# Altium PCB Inverter2beta.PcbDoc (part 3 of 5) (continued)
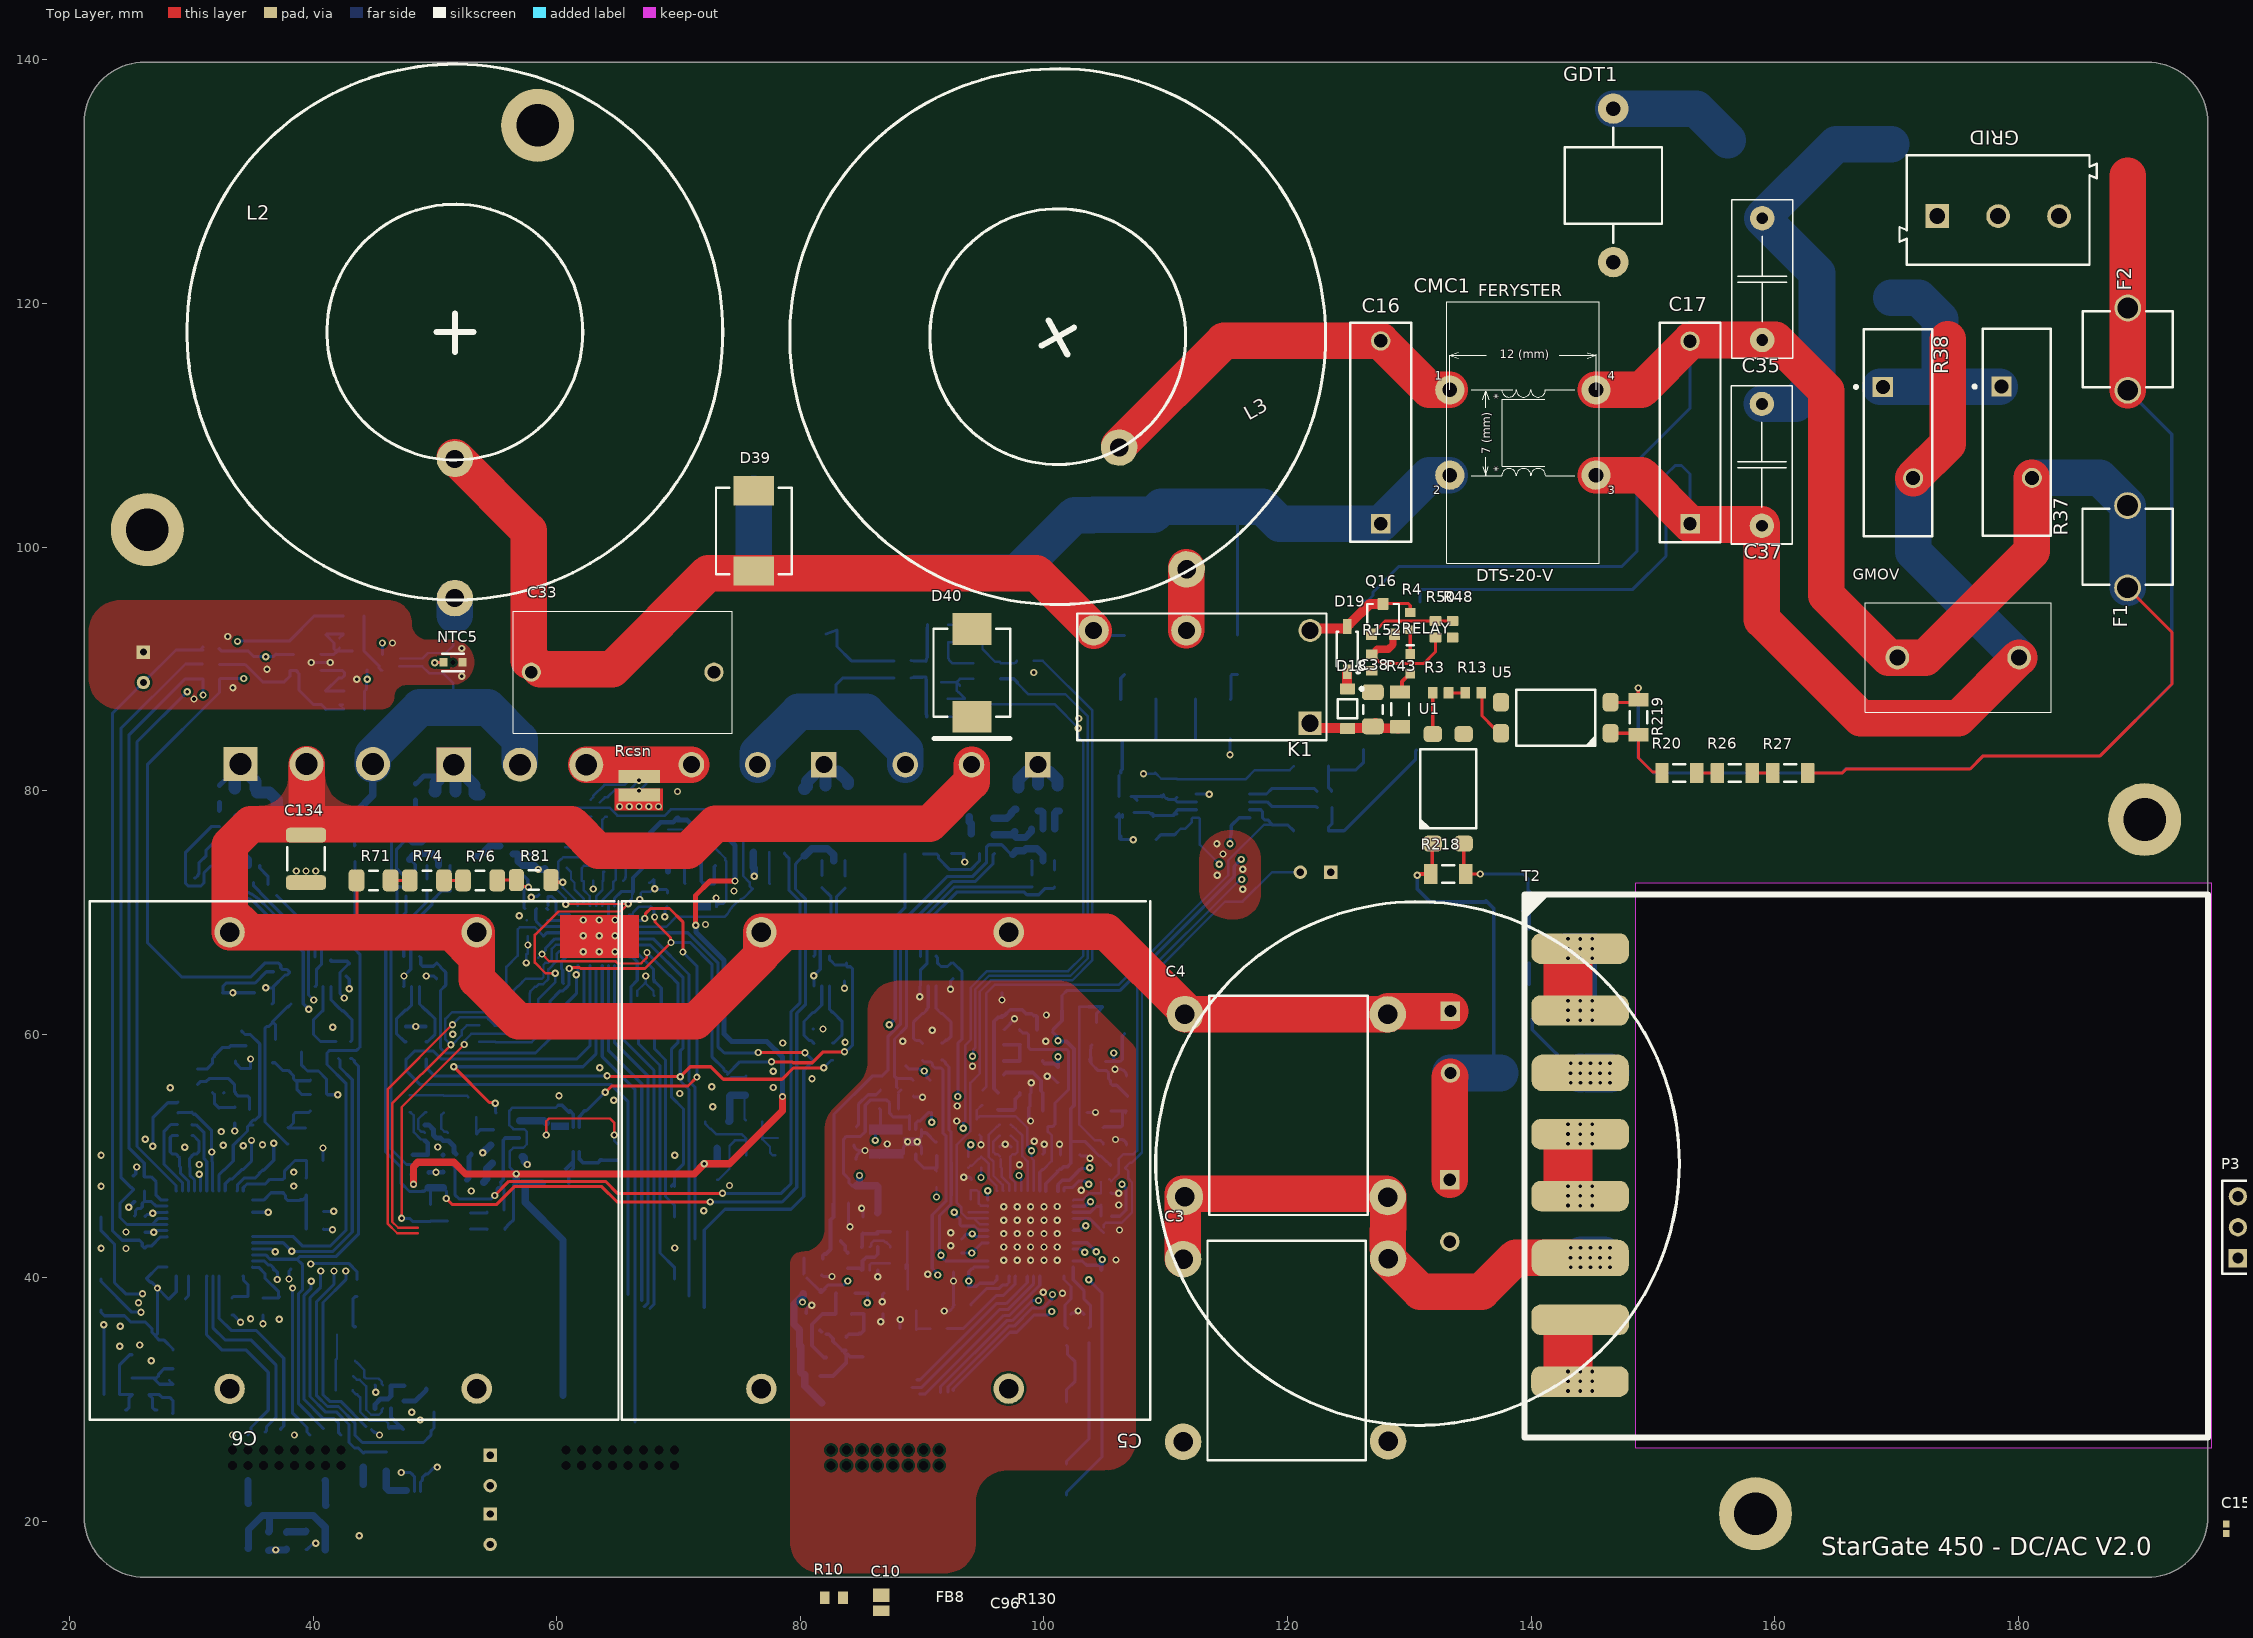
[diagram p0: Top Layer view]
## Nets (pads, with @x,y where several pads share a name; then routed paths per layer and width w, separated by ;. In a path a pad name is that pad's centre, name@x,y a point inside that pad or via, vN(x,y) a via of type N, cw(c..) or ccw(c..) an arc to the next point about the centre after c; other vN are vias at no path point) (continued)
  Bottom Layer w0.3: C74.1@47.6,60.625 C76.1@49.225,60.625
  Bottom Layer w0.4: C89.1@49.475,48.65 49.488,48.663 v1(50.075,48.663) 50.663,48.663 50.675,48.675 D25.2@50.663,48.688 ; C87.1@50.65,50.1 C87.1@50.663,50.088
  Bottom Layer w0.6: v1(53.925,50.25) R195.1@54.575,50.9 ; Q11.2@56.4,74.8 Q11.2@56.676,74.8 56.749,74.8 56.831,74.718 56.831,74.204 57.183,73.853 58.153,73.853 v1(58.478,73.528) 58.928,73.528 D27.1@58.994,73.594 ; C42.1@57.15,49.925 57.25,49.925 57.325,49.85 57.325,49.553 v1(57.575,49.303) ; R157.1@76.1,73.725 R157.1@76.125,73.7 ; Q12.2@76.15,74.949 76.125,74.924 R157.1@76.125,73.7 ; v1(76.2,72.975) 76.2,73.625 R157.1@76.125,73.7
  other v1: 69.675,42.435 72.05,45.5 52.975,47.125 74.175,47.575 69.675,50.055 50.215,50.738 72.8,54.05 64.675,54.575 60.175,54.95 70.1,55.125 77.775,55.625 72.725,55.675 80.95,56.35 77.775,56.95 63.525,57.25 78.55,59.275 83.668,59.332 51.452,60.001 81.85,60.425 48.413,60.625 61.6,64.875 62.175,66.775 63.475,66.775 64.775,66.775 62.175,68.075 64.775,68.075 72.2,69 62.175,69.375 63.475,69.375 56.9,69.725 74.55,71.75 38.6,73.4 39.4,73.4 40.2,73.4 65.15,78.7 65.95,78.7 66.75,78.7 67.55,78.7 68.35,78.7 69.9,79.925
BOTT_TRIG_ADC: IC1.21 | length 28
  Bottom Layer w0.254: IC1.21@65.925,67.825 67.925,67.825 70.85,64.9 70.85,56.15 71.35,55.65 71.35,43.2
BOTT_TWO_LEVEL_TIM1_CH2_4: IC1.19 R153.1 R156.1 | length 34.6
  Bottom Layer w0.2: R153.1@57.975,78.6 64.325,78.6 64.975,77.95 68.875,77.95 69.197,78.272 69.197,78.29 69.36,78.453 72.722,78.453 75.3,75.875 75.3,72.989 75.825,72.464 75.825,72.175 76.075,71.925 75.352,71.202 ccw(c76.8,68.405) 74.002,69.852 73.8,69.65 69.825,69.65 69,68.825 IC1.19@65.925,68.825
BOTT_TWO_LEVEL_TIM1_CH2N: IC1.22 R123.1 R145.1 | length 67.9
  Top Layer w0.254: v1(64.125,56.575) 64.163,56.538 70.092,56.538 v1(70.13,56.5) 70.955,57.325 72.65,57.325 73.675,56.3 78.5,56.3 79.418,57.218 81.915,57.218 v1(81.927,57.23)
  Bottom Layer w0.2: v1(81.927,57.23) 81.927,57.252 82.55,57.875 R145.1@82.65,57.875
  Bottom Layer w0.254: R123.1@49.275,57.975 49.275,57.244 49.969,56.55 64.1,56.55 v1(64.125,56.575) ; IC1.22@65.925,67.325 67.675,67.325 70.368,64.632 70.368,58.868 70.13,58.63 v1(70.13,56.5) 70.192,56.437 70.192,56.108 70.85,55.45 70.85,38.513
DAC1_3: C32.2 R58.2 U23.13 | length 59.4
  TOP_RTN w0.6: v1(29.65,88.125) v1(33.775,92.25)
  Bottom Layer w0.254: 28.75,47.125 28.727,47.148 28.727,47.573 25.525,50.775 25.525,84 v1(29.65,88.125) ; v1(33.775,92.25) 33.8,92.275 38.025,92.275 40.1,94.35 C32.2@41,94.35 ; C32.2@41.05,94.3 41.075,94.325 R58.2@42.475,94.325
DAC1_4: C115.2 IC1.9 R81.1 R162.2 | length 14.2
  Top Layer w0.254: R81.1@59.525,72.65 59.7,72.475 v1(60.475,72.475)
  Bottom Layer w0.2: v1(60.475,72.475) 60.487,72.463 60.487,72.038 61.675,70.85 61.7,70.85 61.725,70.825 IC1.9@61.725,70.525 ; v1@60.499,72.451 60.097,72.853 60.097,74.149 60.326,74.378 60.378,74.378 60.528,74.528 62.803,74.528 63.1,74.825 65.826,74.825 65.941,74.71 R162.2@65.941,74.491 ; C115.2@65.44,72.6 65.46,72.6 65.63,72.77 65.63,72.867 65.65,72.887 65.65,73.25 65.663,73.263 65.663,73.738 65.883,73.958 65.883,74.433 65.975,74.525 R162.2@66.225,74.525
DAC1_5: C50.2 C123.2 C145.2 R40.1 R89.1 R181.2 R207.2 | length 75.6
  TOP_RTN w0.4: v1(93.375,52.275) 93.375,52.221 93.937,51.659 93.937,50.948 v1(93.975,50.909) ; v1(102.825,85.125) 104.425,85.125 v1(108.175,81.375)
  Bottom Layer w0.2: R181.2@92.075,86.05 C123.2@93.5,86.05 94.525,86.05 95.575,87.1 100.85,87.1 v1(102.825,85.125) 102.825,84.38 103.222,83.983 103.222,66.422 101.975,65.175 95.331,65.175 93.969,63.813 93.969,59.519 93.525,59.075 93.525,52.85 93.387,52.712 93.387,52.287 v1(93.375,52.275) ; R207.2@93.775,49.925 93.775,50.601 93.975,50.801 v1(93.975,50.909) ; v1(108.175,81.375) 109.075,81.375 R89.1@109.15,81.45 109.625,80.975 C50.2@110.925,80.975 ; C50.2@110.925,80.95 116.575,80.95 117.3,81.675 C145.2@118.75,81.675 120.175,81.675 R40.1@120.5,82
DRV_HF_MOS: IC1.30 R128.1 | length 58.8
  Bottom Layer w0.254: IC1.30@62.725,65.625 62.725,59.05 61.65,57.975 50.486,57.975 49.831,58.63 48.355,58.63 47.7,57.975 R128.1@47.6,57.975 47.6,57.025 48.775,55.85 64.475,55.85 65.825,54.5 65.825,38.632
DRV_LF_MOS: IC1.20 R146.1 | length 50.8
  Top Layer w0.254: v1(76.525,58.5) 76.537,58.488 80.363,58.488 v1(80.375,58.475)
  Bottom Layer w0.254: IC1.20@65.925,68.325 70.761,68.325 73.22,65.865 73.22,58.98 73.75,58.45 76.475,58.45 v1(76.525,58.5) ; 72.1,37.557 72.1,43.925 73.8,45.625 79.225,45.625 80.275,46.675 80.275,57.025 R146.1@81.1,57.85 81,57.85 v1(80.375,58.475)
DRV_TOP_HF_MOS: CONN_TOP.1 R35.1 U23.32 | length 41.6
  TOP_RTN w0.4: v1@38.237,42.147 38.252,42.131 38.252,41.706 39.803,40.156 39.803,39.722 v1(39.822,39.703)
  Bottom Layer w0.254: 35,42.875 37.525,42.875 v1(38.237,42.163) 41.613,42.163 43.2,43.75 43.2,56.267 42.198,57.269 42.198,57.877 R35.1@42.075,58 ; v1(39.822,39.703) 39.822,39.122 39.25,38.55 39.25,30 40.825,28.425 41.7,28.425 42.082,28.043 42.082,27.263 CONN_TOP.1@42.26,27.085
DRV_TOP_LF_MOS: R175.1 U20.32 | length 52
  TOP_RTN w0.254: v1(91.27,40.225) 91.27,39.73 91.918,39.082 96.379,39.082 98.236,37.225 v1(100.65,37.225) 101.895,37.225 102.595,37.925 103.675,37.925 104.75,39 104.75,40.45 104.05,41.15 104.05,41.8 104.297,42.048 v1(104.297,42.122)
  Bottom Layer w0.254: R175.1@90.025,57.85 90.164,57.711 90.696,57.711 90.845,57.562 90.845,57.419 91.044,57.22 91.551,57.22 91.7,57.071 91.7,51.906 91.943,51.663 91.943,49.313 91.955,49.301 91.955,46.899 91.943,46.887 91.943,46.268 90.825,45.15 90.825,40.764 91.27,40.319 v1(91.27,40.225) ; 92.55,30.75 92.55,30.868 97.207,35.525 97.775,35.525 99.175,36.925 100.328,36.925 100.628,37.225 v1(100.65,37.225) ; U20.32@102.4,42.875 103.563,42.875 104.297,42.141 v1(104.297,42.122)
"EARTH GND": C35.1 C37.2 GDT1.2 GRID.3 | length 44.2
  Bottom Layer w3: GDT1.2@146.75,136 153.55,136 156.15,133.4 ; C37.2@158.95,111.75 161.718,111.75 163.475,113.507 163.475,122.5 C35.1@158.975,127 165.05,133.075 169.575,133.075
EN_DCDC_BOOST_3: IC2.3 R25.2 | length 2.8
  Bottom Layer w0.254: IC2.3@48.8,22.45 48.8,23.231 48.952,23.383 48.952,23.602 49.225,23.875 R25.2@49.3,23.875 49.375,23.875 49.884,24.384 50.109,24.384 v1(50.175,24.45)
EN_DCDC_BOOST_4: IC1.18 IC4.3 R121.2 | length 30.7
  Top Layer w0.254: v1(63.975,55.225) 64.5,55.75 70.775,55.75 v1(71.5,56.475) ; v1(67.228,69.5) 67.294,69.566 67.294,69.919 67.7,70.325 69.25,70.325 70.35,69.225 v1(70.35,66.75) v1@70.35,66.7
  Bottom Layer w0.254: R121.2@62.375,53.725 62.45,53.725 63.95,55.225 v1(63.975,55.225) ; IC1.18@65.925,69.325 66.959,69.325 67.134,69.5 v1(67.228,69.5) ; v1(70.35,66.75) 71.5,65.6 v1(71.5,56.475)
  Bottom Layer w0.3: IC4.3@61.85,52.35 61.85,53.224 62.05,53.424 62.05,53.475 62.3,53.725 R121.2@62.375,53.725
EN_DCDC_BOOST_5: IC6.3 R172.2 U20.12 | length 12.4
  TOP_RTN w0.254: v1(90.775,52.775) 92.65,50.9 92.65,47.725 93.25,47.125 95.35,47.125 v1(95.375,47.15)
  Bottom Layer w0.254: IC6.3@89.45,52.175 89.473,52.198 89.473,52.679 89.674,52.88 89.836,52.88 90.252,53.296 90.252,53.302 90.525,53.575 R172.2@90.6,53.575 ; v1(90.775,52.775) R172.2@90.775,53.575 ; v1(95.375,47.15) 95.375,46.398 95.398,46.375 U20.12@95.4,46.375
GND: C18.1 C19.1 C38.1 P3.3 R152.1 U1.3 U5.3
GRID_VAC_OPAMP2_IN+_5: C60.1 R101.2 U20.17 U20.19 | length 15.3
  TOP_RTN w0.4: v1(97.95,48.4) 98.004,48.4 98.104,48.5 98.166,48.5 98.972,49.306 v1(98.972,50.425)
  Bottom Layer w0.2: R101.2@94.95,54.175 94.9,54.175 94.475,53.75 94.475,53.025 94.7,53.25 97.7,53.25 98.622,52.328 98.622,50.867 98.972,50.517 98.972,49.847 99.15,49.669 U20.19@99.15,47.125 ; v1(97.95,48.4) 97.95,48.292 98.15,48.092 U20.17@98.15,47.125
GRID_VAC_OPAMP2_OUT_5: R198.1 U20.14 | length 6.3
  Bottom Layer w0.2: R198.1@96.35,52.575 96.175,52.4 96.132,52.4 95.449,51.717 95.449,49.933 95.853,49.529 95.853,48.372 96.397,47.828 ; 96.397,47.828 96.6,47.625 96.6,47.175 U20.14@96.65,47.125
GRID_VAC_OPAMP3_OUT_5: R199.1 U20.18 | length 6
  Bottom Layer w0.2: R199.1@97.275,52.575 97.45,52.4 97.493,52.4 97.665,52.228 98.225,51.668 98.225,49.975 98.65,49.55 98.65,47.825 U20.18@98.65,47.125
HF_TOP_TRIG_ADC: CONN_TOP.5 U23.33 | length 18.6
  TOP_RTN w0.6: v1(36.875,42.125) 38.776,40.224 38.776,39.578 38.349,39.15 v1(38.3,39.15)
  Bottom Layer w0.254: 35,42.375 36.531,42.375 36.781,42.125 v1(36.875,42.125) ; v1(38.3,39.15) 38.3,28.875 39.477,27.698 39.477,27.328 CONN_TOP.5@39.72,27.085
HV_ADC1_IN4_4: C78.2 IC1.8 R95.1 | length 3.8
  Bottom Layer w0.254: R95.1@59.17,70.33 59.175,70.325 R95.1@59.278,70.222 ; R95.1@59.258,70.572 59.258,71.307 59.593,71.307 59.925,70.975 59.925,70.05 60.15,69.825 IC1.8@61.025,69.825
HV_OPAMP1_COMP1_IN_4: C45.2 IC1.6 R79.2 | length 3.8
  Bottom Layer w0.254: C45.2@58.265,69.375 58.265,70.24 R79.2@58.325,70.3 ; 58.317,69.252 58.744,68.825 IC1.6@61.025,68.825
HV_OPAMP1_OUT_4: IC1.7 R95.2 | length 1.8
  Bottom Layer w0.254: R95.2@59.223,69.327 61.023,69.327 IC1.7@61.025,69.325
HVDC_FUSE_MON: C18.2 R9.1
IAC_ADC2_IN4_3: C34.1 C164.2 R61.2 U23.15 | length 5.8
  Bottom Layer w0.254: R61.2@28.857,51.677 28.852,51.672 28.406,51.672 28.257,51.524 28.257,50.327 28.432,50.152 28.59,50.152 28.592,50.15 28.739,50.15 28.882,50.007 C34.1@28.882,49.987 29.025,49.844 29.025,49.135 C164.2@29.06,49.1 ; C164.2@29.085,49.1 29.085,48.594 29.75,47.929 29.75,47.125
IAC_ADC2_IN5_3: C164.1 C165.2 R210.2 U23.16 | length 5.5
  Bottom Layer w0.254: C164.1@29.84,49.1 29.84,49.775 30.032,49.967 30.032,50.007 30.175,50.15 30.406,50.15 30.607,50.351 30.607,51.227 30.157,51.677 R210.2@30.032,51.677 ; C164.1@29.865,49.1 29.865,48.425 30.25,48.04 30.25,47.125
IAC_COMP1_INP_3: R72.1 R182.2 U23.8 U23.9 | length 55.5
  Bottom Layer w0.254: 28,44.375 26.755,44.375 ; 28,44.875 27.977,44.852 27.232,44.852 26.755,44.375 ; R182.2@30.9,90.4 29.5,90.4 24.2,85.1 24.2,48.247 25.049,47.398 25.102,47.398 R72.1@25.25,47.25 24.125,46.125 24.125,44.95 24.7,44.375 25.375,44.375 26.755,44.375
IAC_COMP3_INP_5: R216.2 U20.8 U20.9 | length 60.1
  Bottom Layer w0.2: 94.3,44.825 94.75,44.375 U20.8@95.4,44.375 ; U20.9@95.4,44.875 94.3,44.875 93.7,44.875 93.2,45.375 93.2,45.8 92.825,46.175 92.825,50.9 93.953,52.028 93.953,56.003 94.725,56.775 94.725,63.5 95.644,64.419 102.319,64.419 103.978,66.078 103.978,86.572 99.9,90.65 R216.2@99.15,90.65
IAC_OPAMP1_OUT_5: R185.1 U20.10 | length 1.6
  Bottom Layer w0.2: R185.1@93.825,45.375 U20.10@95.4,45.375
IAC_OPAMP2_IN+_COMP4_INP_3: C173.2 R44.2 U23.17 U23.19 | length 12.3
  TOP_RTN w0.6: v1(30.645,48.5) 31.025,48.5 31.65,49.125 v1(31.65,50.325)
  Bottom Layer w0.254: R44.2@28.875,53.525 28.905,53.555 29.995,53.555 C173.2@30.025,53.585 30.025,53.565 30.168,53.422 30.303,53.422 31.65,52.075 v1(31.65,50.325) 31.682,50.293 31.682,49.562 31.727,49.517 31.727,47.148 31.75,47.125 ; v1(30.645,48.5) 30.645,48.406 30.75,48.302 30.75,47.125
IAC_OPAMP2_OUT_3: R61.1 U23.14 | length 6.9
  Bottom Layer w0.254: R61.1@28.857,52.577 28.307,52.577 27.725,51.995 27.725,49.344 29.25,47.819 29.25,47.125
IAC_OPAMP3_OUT_3: R210.1 U23.18 | length 6.1
  Bottom Layer w0.254: R210.1@30.032,52.577 30.055,52.554 30.38,52.554 31.032,51.902 31.032,51.369 31.039,51.362 31.039,49.761 31.25,49.55 31.25,47.125
IAC_PGA2_VIN+_3: C40.2 R72.2 R217.2 U23.11 | length 4.6
  Bottom Layer w0.254: R217.2@25.308,45.058 25.404,45.154 25.404,45.526 25.553,45.675 25.803,45.675 25.952,45.824 25.952,46.107 26.095,46.25 26.719,46.25 27.094,45.875 28,45.875 ; C40.2@26.133,46.267 26.133,47.108 R72.2@26.15,47.125
IAC_PGA2_VOUT_3: R44.1 R217.1 U23.10 | length 12.4
  TOP_RTN w0.6: v1(26.825,45.3) v1(26.825,50.8)
  Bottom Layer w0.254: R217.1@26.2,45.05 26.348,45.198 26.629,45.198 26.731,45.3 v1(26.825,45.3) 26.877,45.352 27.977,45.352 28,45.375 ; v1(26.825,50.8) 26.825,53.133 28.061,54.369 28.819,54.369 R44.1@28.875,54.425
IHV_ADC2_IN4_COMP2_INP_4: C118.2 IC1.12 R165.2 | length 3.1
  Bottom Layer w0.2: IC1.12@63.225,70.525 63.225,70.775 63.225,71.025 63.225,71.3 63.75,71.825 C118.2@63.75,72.608 ; R165.2@63.808,73.343 R165.2@63.808,73.283 ; C118.2@63.815,72.6 63.808,72.608 R165.2@63.808,73.283 ; R165.2@63.875,73.35 R165.2@63.808,73.283
IHV_OPAMP2_IN+_4: C115.1 IC1.13 R164.2 | length 3.8
  Bottom Layer w0.2: IC1.13@63.725,70.525 63.75,70.55 63.75,71.011 64.645,71.906 64.645,72.505 64.825,72.685 R164.2@64.825,73.9
IHV_OPAMP2_IN-_4: C117.2 IC1.10 R168.2 | length 3.4
  Bottom Layer w0.2: R168.2@60.818,73.657 61.159,73.316 61.159,72.721 61.447,72.433 61.447,71.878 62.225,71.1 62.225,70.85 IC1.10@62.225,70.8
IHV_OPAMP2_OUT_4: C117.1 IC1.11 R165.1 R169.2 | length 4.8
  Bottom Layer w0.2: C117.1@62.04,72.6 62.04,73.615 R169.2@62.075,73.65 ; R169.2@62.19,73.835 63.06,73.835 63.333,74.108 63.658,74.108 R165.1@63.8,74.25 ; C117.1@62.192,72.575 62.192,71.828 62.7,71.32 IC1.11@62.7,70.825 ; IC1.11@62.7,70.55 IC1.11@62.725,70.525
INV_IND_SHUNT-: L2.2 R73.1 R78.2 | length 7.9
  Bottom Layer w0.2: R73.1@47.125,90.85 48.975,90.85 49.425,91.3 50.875,91.3 51.5,91.925 R78.2@51.5,93.575
  Bottom Layer w3: L2.2@51.625,94.4 L2.2@51.625,95.806
INV_RTN_SHUNT-: C16.1 CMC1.2 D39.2 R51.2 R94.2 R187.1 R196.1 R197.1 | length 72.9
  Bottom Layer w0.254: R51.2@82.1,92.875 R51.2@83,93.2 83,91.829 84.179,90.65 R187.1@87.675,90.65 ; R94.2@115.875,92.775 115.875,103.32
  Bottom Layer w3: 75.725,98.1 76.175,98.55 76.175,104.375 ; 89.275,97.9 97.8,97.9 102.525,102.625 103.95,102.625 ; 104.1,102.65 108.974,102.65 109.644,103.32 115.875,103.32 117.95,103.32 119.344,101.925 C16.1@127.65,101.925 ; C16.1@127.65,101.9 131.65,105.9 CMC1.2@133.325,105.9
L_GRID: C17.2 C35.2 CMC1.4 F1.1 F1.2 GMOV.1 R27.2 R28.2 R37.2 R45.2 TP26.1 | length 169
  Top Layer w0.254: R27.2@162.7,81.45 165.55,81.45 165.873,81.773 176.052,81.773 177.129,82.85 186.725,82.85 192.625,88.75 192.625,92.995 F1.1@188.975,96.645
  Top Layer w3: CMC1.4@145.325,112.9 149.05,112.9 153.15,117 C35.2@158.975,117 160.064,117 164.225,112.839 164.225,96.05 169.35,90.925 GMOV.1@170.075,90.925 172.375,90.925 181.125,99.675 R37.2@181.125,105.675
  Bottom Layer w0.254: R45.2@126.25,95.575 126.575,95.575 127.023,96.023 127.023,96.298 129.125,98.4 147.45,98.4 148.7,99.65 148.7,107.05 153.044,111.394 153.044,116.894 C17.2@153.05,116.9
  Bottom Layer w3: R37.2@181.125,105.675 186.705,105.675 F1.2@188.975,103.405 F1.1@188.975,96.645
L_GRID_BF_RELAY: C33.2 D39.1 K1.2 L2.1 R90.2 | length 74.2
  Top Layer w0.254: 85.425,97.7 85.575,97.85
  Top Layer w3: L2.1@51.625,107.386 57.675,101.336 57.675,90.95 ; 57.675,90.65 57.675,90.95 ; K1.2@104.089,93.131 99.37,97.85 85.575,97.85 77.05,97.85 72.425,97.85 64.55,89.975 58.65,89.975 57.675,90.95
  Bottom Layer w0.254: K1.2@104.07,93.15 104.47,92.75 R90.2@106.6,92.75
LF_TOP_TRIG_ADC: U20.33 | length 21.1
  TOP_RTN w0.254: v1(99.55,38.125) 100.345,38.125 100.449,38.02 101.997,38.02 102.334,38.357 103.432,38.357 104.3,39.225 104.3,40.1 103.342,41.058 v1(103.342,42.104)
  Bottom Layer w0.254: 91.493,30.582 91.493,31.032 96.936,36.475 97.386,36.475 99.036,38.125 v1(99.55,38.125) ; U20.33@102.4,42.375 102.423,42.352 103,42.352 103.248,42.104 v1(103.342,42.104)
N_GRID: C17.1 C37.1 CMC1.3 GMOV.2 GRID.2 R38.2 R39.1 R52.2 | length 116.1
  Top Layer w3: CMC1.3@145.325,105.9 149.05,105.9 C17.1@153.05,101.9 153.1,101.85 C37.1@158.95,101.85 ; C37.1@158.95,101.75 158.95,94.05 167.075,85.925 175.075,85.925 GMOV.2@180.075,90.925 ; R38.2@171.375,105.65 174.2,108.475 174.2,117.075
  Bottom Layer w0.254: R52.2@130.888,95.488 130.888,96.376 131.036,96.525 148.35,96.525 151.075,99.25 151.075,105.95 151.825,106.7 152.35,106.7 153.05,106 C17.1@153.05,101.9
  Bottom Layer w3: R38.2@171.375,105.65 171.375,99.625 GMOV.2@180.075,90.925
NCHP_TIM8_CH1_3: R23.1 U23.27 | length 12.1
  TOP_RTN w0.6: v1(36.3,45.375) 37.025,45.375 39.8,42.6 v1(39.8,41.125)
  Bottom Layer w0.254: 35,45.375 v1(36.3,45.375) ; v1(39.8,41.125) 39.855,41.18 42.901,41.18 43.575,40.505 R23.1@43.575,39.875
NCHP_TIM8_CH1_4: IC1.29 R127.1 | length 24.5
  Top Layer w0.254: v1(51.525,57.325) 54.459,54.391 54.884,54.391 v1(54.95,54.325)
  Bottom Layer w0.254: v1(51.525,57.325) 62.15,57.325 63.225,58.4 IC1.29@63.225,65.327 ; v1(54.95,54.325) 54.95,53.6 R127.1@55,53.55
NCHP_TIM8_CH1_5: R137.1 U20.45 | length 7.7
  Bottom Layer w0.254: R137.1@92.05,35.825 93.381,35.825 96.106,38.55 96.674,38.55 97.627,39.503 97.627,40.102 U20.45@97.65,40.125
NetC1_1: C1.1 C2.2 C3.1 C4.2 T2.11 | length 46.5
  Top Layer w3: C3.1@111.4,41.548 111.4,46.9 128.1,46.9 128.25,46.75 128.25,44.125 128.225,43.85 C1.1@128.225,42.4 ; C1.1@128.25,41.525 130.915,38.86 135.935,38.86 138.72,41.645 144.024,41.645 T2.11@144.05,41.645
  Bottom Layer w3.2: v1@144.15,41.8 145.663,41.8 145.975,41.8
  other v1: 143.25,40.85 144.05,40.85 144.875,40.85 145.675,40.85 146.475,40.85 143.238,41.652 144.038,41.652 144.863,41.652 145.663,41.652 146.463,41.652 143.25,42.45 144.05,42.45 144.875,42.45 145.675,42.45 146.475,42.45
NetC10_1: C10.1 R10.2
NetC16_2: C16.2 CMC1.1 L3.1 TP25.1 | length 32.4
  Top Layer w3: L3.1@106.174,108.317 114.782,116.925 C16.2@127.65,116.925 ; C16.2@127.65,116.9 131.65,112.9 CMC1.1@133.325,112.9
NetC20_2: C20.2 FB9.1 Q4.4 R7.2 | length 8.2
  Bottom Layer w0.2: R7.2@43.25,30.775 43.25,30.675 43.5,30.425 43.6,30.425 43.85,30.175 43.85,29 44.6,28.25 45.95,28.25 46.142,28.058 46.142,27.708 FB9.1@46.25,27.6
  Bottom Layer w0.3: Q4.4@46.375,29.275 46.375,28.55 47.083,27.842 47.2,27.725 C20.2@47.375,27.55
  Bottom Layer w0.4: FB9.1@46.375,27.725 46.966,27.725 C20.2@47.2,27.725
NetC21_1: C21.1 D1.3 | length 2.3
  Bottom Layer w0.4: C21.1@47.45,29.875 48.375,29.875 49.275,30.775 D1.3@49.275,30.875
NetC21_2: C21.2 Q4.3 Q4.6 | length 3.8
  Bottom Layer w0.4: Q4.6@45.075,29.275 45.075,29.609 45.516,30.05 46.141,30.05 46.375,30.284 46.375,31.125 46.475,31.125 C21.2@47.45,31.125
NetC23_2: C23.2 FB18.1 IC2.1 R21.2 | length 3.1
  Bottom Layer w0.6: FB18.1@45.987,24.125 45.987,22.763 C23.2@45.975,22.75 46.2,22.525 IC2.1@47.65,22.525
NetC25_1: C25.1 R66.2 | length 3
  Bottom Layer w0.6: C25.1@37.337,76.613 C25.1@37.25,76.7 37.65,77.1 37.835,77.1 38.65,77.915 38.65,78.45 38.75,78.55 R66.2@39,78.55
NetC26_2: C26.2 R35.2 U6.2 | length 6.4
  Bottom Layer w0.254: U6.2@40.8,63.9 C26.2@40.8,61.925 40.75,61.925 40.02,61.195 40.02,59.971 40.591,59.4 R35.2@41.875,59.4
NetC27_2: C27.2 R34.2 U6.1 | length 5.3
  Bottom Layer w0.254: U6.1@41.45,63.9 41.45,62.825 42.052,62.223 42.35,61.925 C27.2@42.4,61.925 42.45,61.925 43.18,61.195 43.18,59.505 R34.2@43.075,59.4
NetC32_1: C32.1 D9.1 D9.2 R64.2 U8.1 | length 6.7
  Bottom Layer w0.254: U8.1@40.625,91.175 40.639,91.189 41.702,91.189 D9.1@41.925,91.412 ; D9.1@42.148,91.698 D9.1@41.925,91.475 ; R64.2@42.152,92.527 R64.2@42.475,92.85 41.1,92.85 41.05,92.8 41.05,92.775 41.702,92.123 41.702,91.635 D9.1@41.925,91.412 ; D9.2@43.225,91.475 D9.1@41.925,91.475 ; D9.1@41.925,91.412 D9.1@41.925,91.475
NetC33_1: C33.1 R196.2 R197.2
NetC36_1: C36.1 R73.2 R75.1 R77.1 | length 7.7
  TOP_RTN w0.4: v1@44.45,89.2 44.45,90.9 v1(45.675,92.125)
  Bottom Layer w0.254: R77.1@44.2,86.675 R75.1@44.2,88.175 44.359,88.334 44.359,89.084 v1(44.425,89.15) 44.425,89.875 C36.1@44.4,89.9 ; R73.2@45.675,91.2 v1(45.675,92.125)
NetC36_2: C36.2 R58.1 R63.2 R64.1 | length 5.1
  Bottom Layer w0.254: R58.1@44.175,94.325 R64.1@44.175,92.85 44.175,91.45 C36.2@44.425,91.2 ; C36.2@44.4,91.2 C36.2@44.425,91.2 ; R63.2@45.625,89.85 45.402,90.073 45.402,90.223 C36.2@44.425,91.2
NetC38_2: C38.2 D18.2 K1.1 R43.1 | length 8.4
  Top Layer w0.8: K1.1@121.85,85.83 K1.1@122.235,85.445 ; K1.1@122.235,85.145 124.87,85.145 D18.2@124.925,85.09 124.98,85.145 C38.2@126.765,85.145 ; C38.2@126.765,85.095 C38.2@127.225,85.555 ; C38.2@126.786,85.304 127,85.09 127.029,85.119 129.046,85.119 R43.1@129.075,85.09 ; R43.1@129.212,85.15 R43.1@129.366,85.304
NetC39_1: C39.1 D9.3 R75.2 U8.3 | length 5.8
  Bottom Layer w0.254: U8.3@40.625,89.875 42.352,89.875 42.575,89.652 D9.3@42.575,89.575 42.575,89.475 42.352,89.252 42.077,89.252 41.025,88.2 C39.1@41.025,88.175 R75.2@42.5,88.175
NetC39_2: C39.2 R77.2 R182.1 U8.4 | length 14.4
  Bottom Layer w0.2: C39.2@41.025,86.675 R77.2@42.5,86.675 42.5,86.718 42.151,87.067 R77.2@42.401,87.067
  Bottom Layer w0.254: R182.1@32.3,90.35 34.4,90.35 35.825,88.925 37.625,88.925 38.075,89.375 38.075,89.653 38.077,89.655 38.077,89.802 38.15,89.875 U8.4@38.375,89.875 38.6,89.875 38.673,89.802 38.673,89.754 38.825,89.602 38.825,88.25 40.002,87.073 40.652,87.073 41.025,86.7 C39.2@41.025,86.675
NetC43_2: C43.2 FB16.1 IC4.1 R69.2 | length 12
  Top Layer w0.2: v1(59.125,51.725) 59.125,52.85 59.35,53.075 64.35,53.075 64.725,52.7 v1(64.725,51.725)
  Bottom Layer w0.2: C43.2@59.075,52.7 59.125,52.65 v1(59.125,51.725) ; v1(64.725,51.725) 64.725,51.225 R69.2@64.95,51
  Bottom Layer w0.6: FB16.1@56.95,52.9 58.925,52.9 C43.2@59.125,52.7
NetC47_1: C47.1 R87.1 R88.2 U2.4 | length 5.3
  Bottom Layer w0.3: R87.1@71.825,75.1 71.838,75.088 71.838,73.838 C47.1@71.85,73.825 71.85,72.551 72.026,72.375 U2.4@72.925,72.375 ; U2.4@72.975,72.425 U2.4@72.925,72.375 ; R88.2@73,73.825 72.925,73.75 U2.4@72.925,72.375
NetC47_2: C47.2 Q18.1 R86.1 U2.3 | length 6.1
  Bottom Layer w0.178: Q18.1@69.126,76.8 R86.1@70.275,76.8 ; R86.1@70.35,76.525 70.35,76.425 70.561,76.214 70.833,76.214 71.142,75.905 71.142,74.515 70.838,74.211 70.836,74.211 70.5,73.875 C47.2@70.5,73.825
  Bottom Layer w0.254: C47.2@70.475,73.825 70.475,72.425 U2.3@70.525,72.375
NetC49_2: C49.2 FB1.2 Q18.2 R87.2 | length 3.5
  Bottom Layer w0.254: Q18.2@69.126,75.5 R87.2@70.425,75.5 ; R87.2@70.425,75.15 R87.2@70.475,75.1
  Bottom Layer w0.5: C49.2@69.143,73.343 Q18.2@69.143,75.442
NetC50_1: C50.1 D31.1 D31.2 R93.2 U19.3 | length 6.3
  Bottom Layer w0.254: R93.2@107.15,79.525 108.5,79.525 109.575,79.525 109.625,79.575 D31.2@109.712,79.488 ; R93.2@107.375,79.475 R93.2@107.648,79.202 ; D31.2@109.8,79.675 109.8,79.575 110.023,79.352 110.123,79.352 110.193,79.282 110.718,79.282 C50.1@110.737,79.263 ; C50.1@110.925,79.45 C50.1@110.737,79.263 ; U19.3@112.5,79.075 110.925,79.075 C50.1@110.737,79.263
NetC51_1: C51.1 R97.1 R98.1 R102.2 | length 17.1
  TOP_RTN w0.5: v1(107.325,75.975) 114.3,82.95 v1(115.275,82.95)
  Bottom Layer w0.254: R102.2@106.2,76.025 R102.2@106.2,76.35 ; R98.1@106.2,77.927 R98.1@106.2,77.827 ; R98.1@106.45,77.775 106.45,78.025 106.252,77.827 R98.1@106.2,77.827 ; v1(107.325,75.975) R102.2@106.3,75.975 106.3,76.25 R102.2@106.2,76.35 ; v1(115.275,82.95) 115.275,84.2 R97.1@115.325,84.25 ; R102.2@106.2,76.35 R98.1@106.2,77.827 ; R98.1@106.2,77.827 105.902,77.827 R98.1@106.175,78.1 106.175,77.852 R98.1@106.2,77.827
NetC51_2: C51.2 R89.2 R92.1 R93.1 | length 4.4
  Bottom Layer w0.254: R93.1@106.175,79.525 R89.2@106.175,81.25 ; R89.2@106.3,81.45 106.3,81.625 106.425,81.75 R92.1@106.425,84.05
NetC52_1: C52.1 D31.3 R98.2 U19.2 | length 6.1
  Bottom Layer w0.254: R98.2@107.375,78.2 108.65,78.2 108.752,78.098 108.927,78.098 108.975,78.05 108.975,77.875 109.062,77.963 110.675,77.963 110.787,78.075 C52.1@110.925,78.075 110.812,78.075 C52.1@110.675,78.075 ; C52.1@110.675,78.125 110.975,78.425 U19.2@112.5,78.425
NetC52_2: C52.2 R102.1 R110.1 U19.1 | length 41.4
  TOP_RTN w0.5: v1(114.4,73.95) 115.631,72.719 116.231,72.719 v1(116.25,72.7)
  Bottom Layer w0.2: R110.1@105.35,48.1 R110.1@105.525,47.925 106.128,48.528 106.128,49.746 106.529,50.147 107.365,50.147 107.65,50.432 107.65,64.245 115.953,72.548 115.99,72.548 116.142,72.7 v1(116.25,72.7) ; C52.2@110.925,76.575 111.233,76.883 111.608,76.883 112.117,77.392 112.117,77.683 112.21,77.775 U19.1@112.5,77.775 112.708,77.775 112.8,77.683 112.8,75.55 v1(114.4,73.95)
  Bottom Layer w0.254: R102.1@109.2,75.975 109.6,76.375 110.725,76.375 C52.2@110.925,76.575
NetC61_1: C61.1 R99.1 R104.2 U10.4 | length 4.6
  Bottom Layer w0.2: R99.1@76.85,52.825 C61.1@76.85,51.45 ; U10.4@77.95,50.05 77.725,50.05 77.5,50.275 77.5,50.75 76.875,51.375 C61.1@76.875,51.425 C61.1@76.85,51.45 ; R104.2@78.125,51.475 76.875,51.475 C61.1@76.85,51.45
NetC61_2: C61.2 Q3.1 R85.1 U10.3 | length 10.2
  Bottom Layer w0.2: Q3.1@72.2,52.825 72.2,52.625 72.6,52.225 72.65,52.225 73.1,51.775 75.2,51.775 75.525,51.45 C61.2@75.525,51.425 75.375,51.275 74.625,51.275 74.175,50.825 74.175,48.95 73.275,48.05 R85.1@73.175,48.05 ; U10.3@75.55,50.05 C61.2@75.55,51.4
NetC62_2: C62.2 FB17.1 U7.4 | length 6.2
  Bottom Layer w0.254: FB17.1@30.25,72.825 30.325,72.825 30.548,73.048 30.548,73.123 30.6,73.175 30.6,74.05 31.2,74.65 31.2,75.125 32.05,75.975 C62.2@32.15,75.975
  Bottom Layer w0.6: C62.2@32.15,75.975 32.45,75.675 33.125,75.675 33.7,76.25 U7.4@33.7,76.45
NetC68_1: C68.1 R118.1 R120.2 U9.4 | length 4.3
  Bottom Layer w0.254: R120.2@39.35,52.3 37.95,52.3 R118.1@37.925,52.325 38,52.325 38.377,52.702 38.377,53.402 U9.4@38.55,53.575 39.65,53.575 C68.1@39.775,53.7
NetC68_2: C68.2 Q2.1 R113.1 U9.3 | length 6
  Bottom Layer w0.254: Q2.1@36.65,57.65 36.85,57.65 37.469,57.031 37.931,57.031 38.377,56.585 38.377,56.348 U9.3@38.55,56.175 ; C68.2@39.775,55.05 39.05,55.05 38.675,55.425 38.675,56.05 U9.3@38.55,56.175 ; R113.1@39.775,56.225 39.725,56.175 U9.3@38.55,56.175
NetC71_2: C71.2 FB2.2 Q2.2 R118.2 | length 14.9
  Bottom Layer w0.254: C71.2@36.65,60.975 36.65,60.925 36.352,60.627 36.168,60.627 36.019,60.478 36.019,59.392 36.032,59.379 36.032,52.793 37.85,50.975 R118.2@37.925,50.975 ; Q2.2@36.9,59.55 36.9,60.775 36.65,61.025 37.877,62.252 37.952,62.252 FB2.2@38.175,62.475
NetC73_1: C73.1 R11.1 R33.2 U4.4 | length 4.9
  Bottom Layer w0.254: U4.4@27.175,29.15 26.975,29.15 26.802,29.323 26.802,29.523 26.798,29.527 26.798,30.102 C73.1@26.5,30.4 27.349,30.4 27.576,30.173 28.202,30.173 28.475,29.9 R33.2@28.475,28.875 R33.2@28.425,28.875
NetC73_2: C73.2 Q6.1 R6.1 U4.3 | length 6.4
  Bottom Layer w0.254: U4.3@24.575,29.15 24.679,29.15 24.852,29.323 24.852,30.102 C73.2@25.15,30.4 R6.1@24.1,30.4 24.1,32.85 24.925,33.675 Q6.1@25.125,33.675